# KiCad board ece499_project.kicad_pcb (continued)
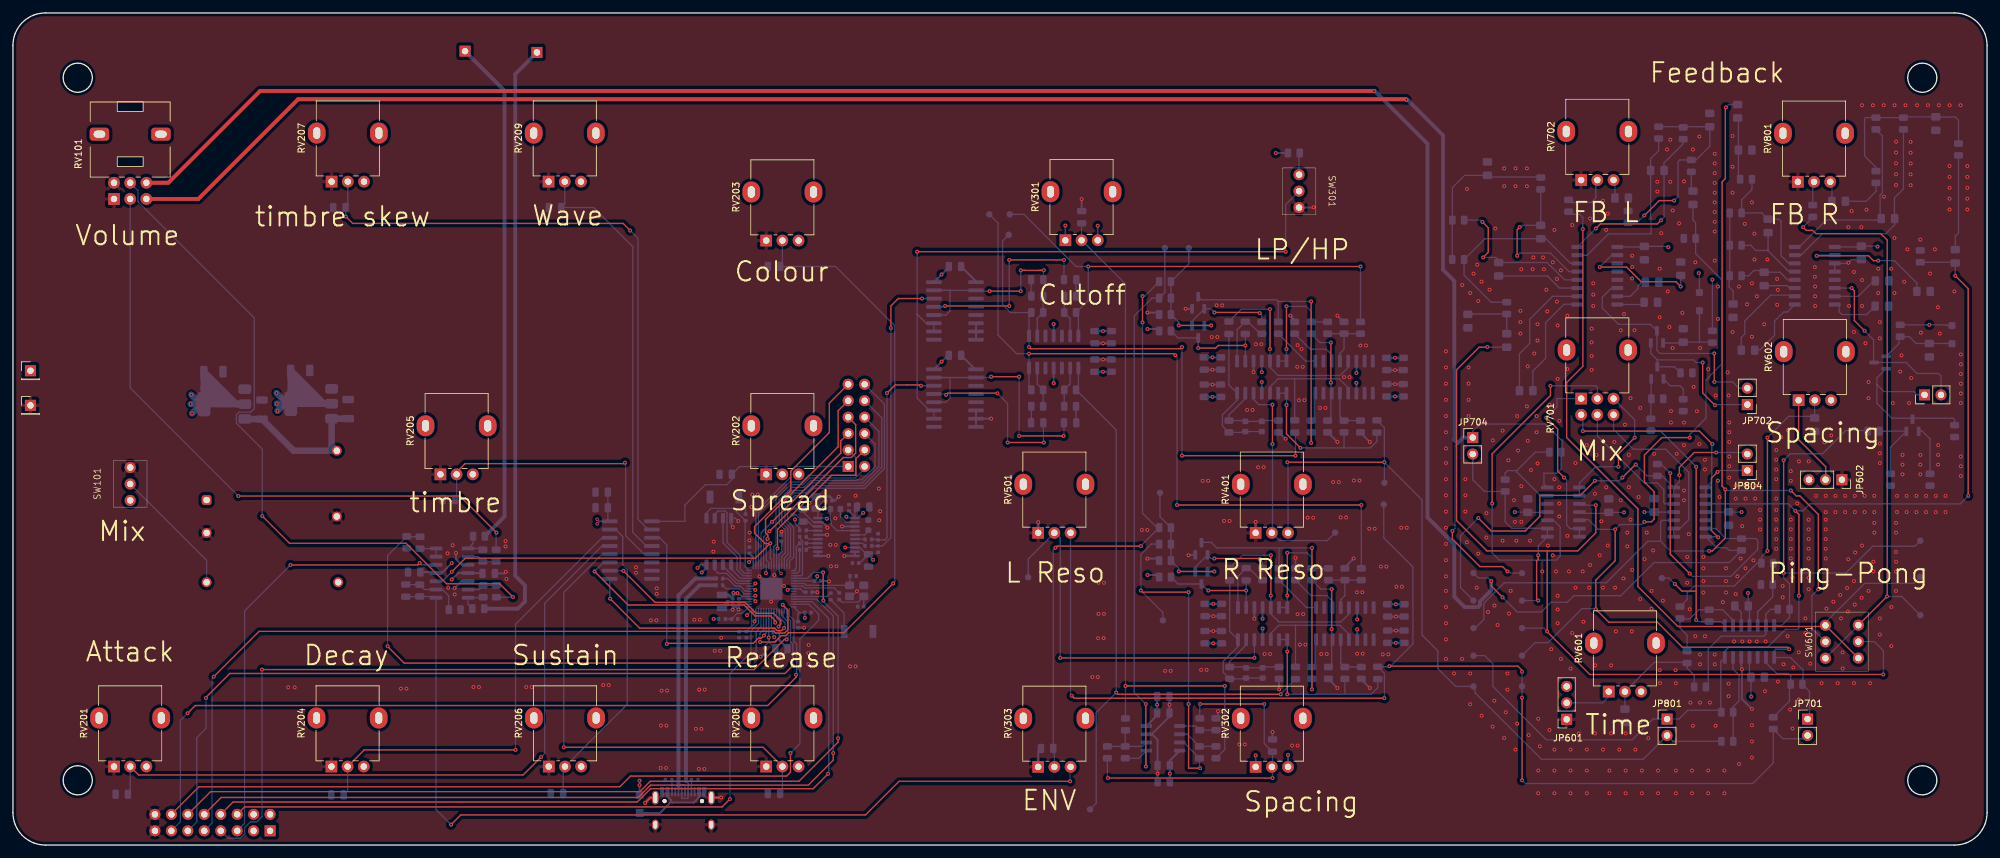
[diagram p0: board, top side]
## Placement (name value [footprint] x y rotation side) (continued)
U302  TL074  [SOIC-14_3.9x8.7mm_P1.27mm]  160.69 76.14 270 bottom
U303  CD4053BM96  [SOIC-16W_5.3x10.2mm_P1.27mm]  145.45 82.49 180 bottom
U304  CD4053BM96  [SOIC-16W_5.3x10.2mm_P1.27mm]  145.45 69.02 180 bottom
U401  LM13700MX/NOPB-CN  [SOIC-16_3.9x9.9mm_P1.27mm]  205.52 72.26 270 bottom
U402  TL074  [SOIC-14_3.9x8.7mm_P1.27mm]  192.82 72.26 270 bottom
U501  LM13700MX/NOPB-CN  [SOIC-16_3.9x9.9mm_P1.27mm]  205.65 34.2 270 bottom
U502  TL074  [SOIC-14_3.9x8.7mm_P1.27mm]  192.95 34.2 270 bottom
U605  TL074  [SOIC-14_3.9x8.7mm_P1.27mm]  268.12 31.44 270 bottom
U701  TL074  [SOIC-14_3.9x8.7mm_P1.27mm]  239.39 51.42 180 bottom
U706  PT2399  [SOP-16_4.4x10.4mm_P1.27mm]  244.63 87.92 180 bottom
U801  TL074  [SOIC-14_3.9x8.7mm_P1.27mm]  258.89 51.42 0 bottom
U806  PT2399  [SOP-16_4.4x10.4mm_P1.27mm]  278.21 87.92 180 bottom
Y103  ABM8-272-T3  [Crystal_SMD_Abracon_ABM8G-4Pin_3.2x2.5mm]  130.27 39.26 0 bottom

## Library data of the parts
C101-C135 C201-C211 C301-C317 C404 C405 C407-C412 C504 C505 C507-C512 C601-C604 C701-C717 C801-C817 = -: Description: Unpolarized capacitor; ki_fp_filters: C_*
C401-C403 C406 C501-C503 C506 = -: ki_fp_filters: C_*
D101 = -: Description: Schottky diode; ki_fp_filters: TO-???* *_Diode_* *SingleDiode* D_*
D401 D402 D501 D502 = -: Description: Light emitting diode; Sim.Pins: 1=K 2=A; ki_fp_filters: LED* LED_SMD:* LED_THT:*
D701 D801 = -: Datasheet: https://www.smc-diodes.com/propdf/DSS12U%20THRU%20DSS125U%20N1873%20REV.A.pdf; Description: 50V 1A General Purpose Rectifier Diode, DO-41; Sim.Device: D; Sim.Pins: 1=K 2=A; ki_fp_filters: D*DO?41*
J101 = -: Datasheet: https://www.usb.org/sites/default/files/documents/usb_type-c.zip; Description: USB 2.0-only 14P Type-C Receptacle connector; ki_fp_filters: USB*C*Receptacle*
J102 = -: Description: Generic connector, double row, 02x08, odd/even pin numbering scheme (row 1 odd numbers, row 2 even numbers), script generated (kicad-library-utils/schlib/autogen/connector/); ki_fp_filters: Connector*:*_2x??_*
J103 = -: Description: Generic connector, double row, 02x06, odd/even pin numbering scheme (row 1 odd numbers, row 2 even numbers), script generated (kicad-library-utils/schlib/autogen/connector/); ki_fp_filters: Connector*:*_2x??_*
JP601 JP602 = -: Description: Jumper, 3-pole, pins 1+2 closed/bridged; ki_fp_filters: Jumper* TestPoint*3Pads* TestPoint*Bridge*
JP701 JP702 JP704 JP801 JP802 JP804 = -: Description: Jumper, 2-pole, open; ki_fp_filters: Jumper* TestPoint*2Pads* TestPoint*Bridge*
L101 = -: Description: Inductor; ki_fp_filters: Choke_* *Coil* Inductor_* L_*
Q401 Q402 Q501 Q502 = -: ki_fp_filters: TO?92*
Q701 Q801 = -: Datasheet: https://www.onsemi.com/pub/Collateral/2N3903-D.PDF; Description: 0.2A Ic, 40V Vce, Small Signal NPN Transistor, TO-92; ki_fp_filters: TO?92*
Q702 Q802 = -: Datasheet: https://www.onsemi.com/pdf/datasheet/pzt3904-d.pdf; Description: 0.2A Ic, 40V Vce, Small Signal NPN Transistor, SOT-23; ki_fp_filters: SOT?23*
R101-R124 R301-R316 R401-R417 R501-R517 = -: Description: Resistor, US symbol; ki_fp_filters: R_*
R601-R607 R701-R719 R801-R819 = -: Description: Resistor; ki_fp_filters: R_*
RV101 RV701 = -: Description: Dual potentiometer, separate units; ki_fp_filters: Potentiometer*
RV201-RV209 RV301-RV303 RV401 RV501 = -: Description: Potentiometer, US symbol; ki_fp_filters: Potentiometer*
RV601 RV602 RV702 RV801 = -: Description: Potentiometer; ki_fp_filters: Potentiometer*
SW101 SW301 = -: Description: Switch, single pole double throw
SW102 SW103 = -: Description: Push button switch, generic, two pins
SW601 = -: Datasheet: https://app.adam-tech.com/products/download/data_sheet/203450/sw-t3-4b-a-a3-s2-data-sheet.pdf; Description: Momentary Switch, dual pole double throw
TP1-TP12 TP101-TP104 = -: Description: test point (alternative shape); ki_fp_filters: Pin* Test*
TP603 TP604 TP701-TP703 TP706 TP708 TP713 TP801-TP803 TP806 TP808 TP813 = -: Description: test point; ki_fp_filters: Pin* Test*
U102 = -: Datasheet: https://www.winbond.com/resource-files/w25q128jv_dtr%20revc%2003272018%20plus.pdf; Description: 128Mbit / 16MiB Serial Flash Memory, Standard/Dual/Quad SPI, 2.7-3.6V, SOIC-8; ki_fp_filters: *SOIC*5.3x5.3mm*P1.27mm*
U104 = -: Datasheet: http://www.advanced-monolithic.com/pdf/ds1117.pdf; Description: 1A Low Dropout regulator, positive, 3.3V fixed output, SOT-223; ki_fp_filters: SOT?223*TabPin2*
U105 U302 U402 U502 U605 U701 U801 = -: Datasheet: http://www.ti.com/lit/ds/symlink/tl071.pdf; Description: Quad Low-Noise JFET-Input Operational Amplifiers, DIP-14/SOIC-14; ki_fp_filters: SOIC*3.9x8.7mm*P1.27mm* DIP*W7.62mm* TSSOP*4.4x5mm*P0.65mm* SSOP*5.3x6.2mm*P0.65mm* MSOP*3x3mm*P0.5mm*
U106 = -: Datasheet: http://www.advanced-monolithic.com/pdf/ds1117.pdf; Description: 1A Low Dropout regulator, positive, 5.0V fixed output, SOT-223; ki_fp_filters: SOT?223*TabPin2*
U109 = -: Datasheet: https://www.ti.com/lit/ds/symlink/pcm5100a.pdf; Description: 2.1 VRMS, 100dB Audio Stereo DAC with PLL and 32-bit, 384kHz PCM Interface, TSSOP-20; ki_fp_filters: TSSOP*4.4x6.5mm*P0.65mm*
U201 = -: Datasheet: http://www.ti.com/lit/ds/symlink/cd4052b.pdf; Description: CMOS single 8-channel analog multiplexer demultiplexer, TSSOP-16/DIP-16/SOIC-16; ki_fp_filters: TSSOP*4.4x5mm*P0.65mm* DIP*W7.62* SOIC*3.9x9.9mm*P1.27mm* SO*5.3x10.2mm*P1.27mm*
U301 = -: Datasheet: http://www.ti.com/lit/ds/symlink/tl071.pdf; Description: Dual Low-Noise JFET-Input Operational Amplifiers, DIP-8/SOIC-8; ki_fp_filters: SOIC*3.9x4.9mm*P1.27mm* DIP*W7.62mm* TO*99* OnSemi*Micro8* TSSOP*3x3mm*P0.65mm* TSSOP*4.4x3mm*P0.65mm* MSOP*3x3mm*P0.65mm* SSOP*3.9x4.9mm*P0.635mm* LFCSP*2x2mm*P0.5mm* *SIP* SOIC*5.3x6.2mm*P1.27mm*
U303 U304 = -: Datasheet: http://www.ti.com/lit/ds/symlink/cd4052b.pdf; Description: CMOS triple 2-channel analog multiplexer/demultiplexer, TSSOP-16/DIP-16/SOIC-16; ki_fp_filters: TSSOP*4.4x5mm*P0.65mm* DIP*W7.62* SOIC*3.9x9.9mm*P1.27mm* SO*5.3x10.2mm*P1.27mm*
U401 U501 = -: Datasheet: http://www.ti.com/lit/ds/symlink/lm13700.pdf; Description: Dual Operational Transconductance Amplifiers with Linearizing Diodes and Buffers, DIP-16/SOIC-16; ki_fp_filters: SOIC*3.9x9.9mm*P1.27mm* DIP*W7.62mm*
U706 U806 = -: Datasheet: http://www.princeton.com.tw/Portals/0/Product/PT2399_1.pdf; Description: Echo Processor IC, DIP-16; ki_fp_filters: DIP*W7.62mm*
Y103 = -: Description: Four pin crystal, GND on pins 2 and 4; ki_fp_filters: Crystal*

## Footprints (pads in the part's own frame, mm; a bottom-side part is the same pattern mirrored in y, then rotated)
C_0402_1005Metric
  rrect 0.56x0.62 smd: 1(-0.48,0) 2(0.48,0)
C_0603_1608Metric
  rrect 0.9x0.95 smd: 1(-0.775,0) 2(0.775,0)
C_0805_2012Metric
  rrect 1x1.45 smd: 1(-0.95,0) 2(0.95,0)
C_0805_2012Metric_Pad1.18x1.45mm_HandSolder
  rrect 1.175x1.45 smd: 1(-1.038,0) 2(1.038,0)
C_1206_3216Metric
  rrect 1.15x1.8 smd: 1(-1.475,0) 2(1.475,0)
Converter_DCDC_RECOM_REC10K-AW_THT
  rrect 1.5x1.5 hole 1: 1(0,-12.7)
  round 1.5 hole 1: 2(0,-7.62) 3(0,0) 4(20.32,0) 5(20.1,-10.16) 6(20.1,-20.32)
Crystal_SMD_Abracon_ABM8G-4Pin_3.2x2.5mm
  rrect 1.4x1.2 smd: 1(-1.1,-0.85) 2(1.1,-0.85) 3(1.1,0.85) 4(-1.1,0.85)
D_SOD-123F
  rrect 1.1x1.1 smd: 1(-1.4,0) 2(1.4,0)
L_0806_2016Metric_Polarity_Indicator
  rrect 1x1.6 smd: 1(0,0) 2(2,0)
LED_0603_1608Metric
  rrect 0.875x0.95 smd: 1(-0.787,0) 2(0.787,0)
Nexperia_CFP3_SOD-123W
  rect 1.2x1.2 smd: 1(-1.4,0) 2(1.4,0)
PinHeader_1x01_P2.54mm_Vertical
  rect 1.7x1.7 hole 1: 1(0,0)
PinHeader_1x02_P2.54mm_Vertical
  rect 1.7x1.7 hole 1: 1(0,0)
  round 1.7 hole 1: 2(0,-2.54)
PinHeader_2x06_P2.54mm_Vertical
  rect 1.7x1.7 hole 1: 1(0,0)
  round 1.7 hole 1: 2(2.54,0) 3(0,-2.54) 4(2.54,-2.54) 5(0,-5.08) 6(2.54,-5.08) 7(0,-7.62) 8(2.54,-7.62) 9(0,-10.16) 10(2.54,-10.16) 11(0,-12.7) 12(2.54,-12.7)
PinHeader_2x08_P2.54mm_Vertical
  rect 1.7x1.7 hole 1: 1(0,0)
  round 1.7 hole 1: 2(2.54,0) 3(0,-2.54) 4(2.54,-2.54) 5(0,-5.08) 6(2.54,-5.08) 7(0,-7.62) 8(2.54,-7.62) 9(0,-10.16) 10(2.54,-10.16) 11(0,-12.7) 12(2.54,-12.7) 13(0,-15.24) 14(2.54,-15.24) 15(0,-17.78) 16(2.54,-17.78)
PinSocket_1x03_P2.54mm_Vertical
  rect 1.7x1.7 hole 1: 1(0,0)
  round 1.7 hole 1: 2(0,-2.54) 3(0,-5.08)
Potentiometer_Alpha_RD901F-40-00D_Single_Vertical
  oval 3.24x2.72 hole 1.8x1.1: (7.5,2.3) (7.5,-7.3)
  rect 1.8x1.8 hole 1: 1(0,0)
  round 1.8 hole 1: 2(0,-2.5) 3(0,-5)
Potentiometer_Alpha_RD902F-40-00D_Dual_Vertical
  oval 3.24x2.72 hole 1.8x1.1: (7.5,2.25) (7.5,-7.25)
  rect 1.8x1.8 hole 1: 1(0,0)
  round 1.8 hole 1: 2(0,-2.5) 3(0,-5) 4(-2.5,0) 5(-2.5,-2.5) 6(-2.5,-5)
Potentiometer_Alps_RK09L_Double_Vertical
  rect 1.8x1.8 hole 1: 1(0,0)
  round 1.8 hole 1: 2(0,-2.5) 3(0,-5) 4(2.5,0) 5(2.5,-2.5) 6(2.5,-5)
  rrect 2x3 hole 1.1x1.8: MP(10,2.25) MP(10,-7.25)
R_0402_1005Metric
  rrect 0.54x0.64 smd: 1(-0.51,0) 2(0.51,0)
R_0805_2012Metric
  rrect 1.025x1.4 smd: 1(-0.912,0) 2(0.912,0)
RP2350A_QFN60
  rect 0.1x0.1 smd: (-1.275,-0.425) (-1.275,0.425) (-1.275,-1.275) (-1.275,1.275) (-0.425,-1.275) (-0.425,-0.425) (-0.425,0.425) (-0.425,1.275) (0.425,-1.275) (0.425,-0.425) (0.425,0.425) (0.425,1.275) (1.275,-1.275) (1.275,1.275) (1.275,-0.425) (1.275,0.425)
  rect 0.875x0.2 smd: 1(-3.438,2.8) 2(-3.438,2.4) 3(-3.438,2) 4(-3.438,1.6) 5(-3.438,1.2) 6(-3.438,0.8) 7(-3.438,0.4) 8(-3.438,0) 9(-3.438,-0.4) 10(-3.438,-0.8) 11(-3.438,-1.2) 12(-3.438,-1.6) 13(-3.438,-2) 14(-3.438,-2.4) 15(-3.438,-2.8) 31(3.438,-2.8) 32(3.438,-2.4) 33(3.438,-2) 34(3.438,-1.6) 35(3.438,-1.2) 36(3.438,-0.8) 37(3.438,-0.4) 38(3.438,0) 39(3.438,0.4) 40(3.438,0.8) 41(3.438,1.2) 42(3.438,1.6) 43(3.438,2) 44(3.438,2.4) 45(3.438,2.8)
  rect 0.2x0.875 smd: 16(-2.8,-3.438) 17(-2.4,-3.438) 18(-2,-3.438) 19(-1.6,-3.438) 20(-1.2,-3.438) 21(-0.8,-3.438) 22(-0.4,-3.438) 23(0,-3.438) 24(0.4,-3.438) 25(0.8,-3.438) 26(1.2,-3.438) 27(1.6,-3.438) 28(2,-3.438) 29(2.4,-3.438) 30(2.8,-3.438) 46(2.8,3.438) 47(2.4,3.438) 48(2,3.438) 49(1.6,3.438) 50(1.2,3.438) 51(0.8,3.438) 52(0.4,3.438) 53(0,3.438) 54(-0.4,3.438) 55(-0.8,3.438) 56(-1.2,3.438) 57(-1.6,3.438) 58(-2,3.438) 59(-2.4,3.438) 60(-2.8,3.438)
  rect 3.4x3.4 smd: 61(0,0)
SO-8_3.9x4.9mm_P1.27mm
  rrect 1.75x0.6 smd: 1(-2.575,1.905) 2(-2.575,0.635) 3(-2.575,-0.635) 4(-2.575,-1.905) 5(2.575,-1.905) 6(2.575,-0.635) 7(2.575,0.635) 8(2.575,1.905)
SOIC-8_5.3x5.3mm_P1.27mm
  rrect 1.625x0.65 smd: 1(-3.587,1.905) 2(-3.587,0.635) 3(-3.587,-0.635) 4(-3.587,-1.905) 5(3.587,-1.905) 6(3.587,-0.635) 7(3.587,0.635) 8(3.587,1.905)
SOIC-14_3.9x8.7mm_P1.27mm
  rrect 1.95x0.6 smd: 1(-2.475,3.81) 2(-2.475,2.54) 3(-2.475,1.27) 4(-2.475,0) 5(-2.475,-1.27) 6(-2.475,-2.54) 7(-2.475,-3.81) 8(2.475,-3.81) 9(2.475,-2.54) 10(2.475,-1.27) 11(2.475,0) 12(2.475,1.27) 13(2.475,2.54) 14(2.475,3.81)
SOIC-16_3.9x9.9mm_P1.27mm
  rrect 1.95x0.6 smd: 1(-2.475,4.445) 2(-2.475,3.175) 3(-2.475,1.905) 4(-2.475,0.635) 5(-2.475,-0.635) 6(-2.475,-1.905) 7(-2.475,-3.175) 8(-2.475,-4.445) 9(2.475,-4.445) 10(2.475,-3.175) 11(2.475,-1.905) 12(2.475,-0.635) 13(2.475,0.635) 14(2.475,1.905) 15(2.475,3.175) 16(2.475,4.445)
SOIC-16W_5.3x10.2mm_P1.27mm
  rrect 2.4x0.6 smd: 1(-3.25,4.445) 2(-3.25,3.175) 3(-3.25,1.905) 4(-3.25,0.635) 5(-3.25,-0.635) 6(-3.25,-1.905) 7(-3.25,-3.175) 8(-3.25,-4.445) 9(3.25,-4.445) 10(3.25,-3.175) 11(3.25,-1.905) 12(3.25,-0.635) 13(3.25,0.635) 14(3.25,1.905) 15(3.25,3.175) 16(3.25,4.445)
SOP-16_4.4x10.4mm_P1.27mm
  rrect 1.825x0.65 smd: 1(-3.087,4.445) 2(-3.087,3.175) 3(-3.087,1.905) 4(-3.087,0.635) 5(-3.087,-0.635) 6(-3.087,-1.905) 7(-3.087,-3.175) 8(-3.087,-4.445) 9(3.087,-4.445) 10(3.087,-3.175) 11(3.087,-1.905) 12(3.087,-0.635) 13(3.087,0.635) 14(3.087,1.905) 15(3.087,3.175) 16(3.087,4.445)
SOT-23
  rrect 1.475x0.6 smd: 1(-0.938,0.95) 2(-0.938,-0.95) 3(0.938,0)
SOT-223-3_TabPin2
  rrect 2x1.5 smd: 1(-3.15,2.3) 2(-3.15,0) 3(-3.15,-2.3)
  rrect 2x3.8 smd: 2(3.15,0)
SW_DPDT_Toggle_2.54mm
  round 1.7 hole 1: 1(-0.03,0) 2(2.51,0) 3(5.05,0) 4(0,-5.08) 5(2.54,-5.08) 6(5.08,-5.08)
SW_SPDT_Toggle_2.54mm
  round 1.7 hole 1: 1(-0.03,0) 2(2.51,0) 3(5.05,0)
SW_SPST_XunPu_TS-1088
  rect 1.05x2 smd: 1(0,0) 2(4.45,0)
TestPoint_Pad_D1.0mm
  round 1 smd: 1(0,0)
TSSOP-20_4.4x6.5mm_P0.65mm
  rrect 1.475x0.4 smd: 1(-2.862,2.925) 2(-2.862,2.275) 3(-2.862,1.625) 4(-2.862,0.975) 5(-2.862,0.325) 6(-2.862,-0.325) 7(-2.862,-0.975) 8(-2.862,-1.625) 9(-2.862,-2.275) 10(-2.862,-2.925) 11(2.862,-2.925) 12(2.862,-2.275) 13(2.862,-1.625) 14(2.862,-0.975) 15(2.862,-0.325) 16(2.862,0.325) 17(2.862,0.975) 18(2.862,1.625) 19(2.862,2.275) 20(2.862,2.925)
USB_C_Receptacle_HRO_TYPE-C-31-M-12
  round 0.65 hole 0.65 unplated: (-2.89,2.6) (2.89,2.6)
  rect 0.6x1.45 smd: A1(-3.25,4.045) A4(-2.45,4.045) A9(2.45,4.045) A12(3.25,4.045) B1(3.25,4.045) B4(2.45,4.045) B9(-2.45,4.045) B12(-3.25,4.045)
  rect 0.3x1.45 smd: A5(-1.25,4.045) A6(-0.25,4.045) A7(0.25,4.045) A8(1.25,4.045) B5(1.75,4.045) B6(0.75,4.045) B7(-0.75,4.045) B8(-1.75,4.045)
  oval 1x1.6 hole 0.6x1.2: S1(-4.32,-1.05) S1(4.32,-1.05)
  oval 1x2.1 hole 0.6x1.7: S1(-4.32,3.13) S1(4.32,3.13)

## Nets
+1V1: C109.1 C111.1 C113.1 C116.1 L101.1 U107.6 U107.23 U107.39 U107.50
+3V3: C103.1 C107.1 C108.1 C117.1 C118.1 C119.1 C120.1 C121.1 C122.1 C123.1 C124.1 C125.1 C126.1 C127.1 C128.1 C131.1 C201.1 C202.1 C312.1 C313.1 J102.1 J102.3 R105.1 R112.2 R308.1 RV201.3 RV202.3 RV203.3 RV204.3 RV205.3 RV206.3 RV207.3 RV208.3 RV209.3 U102.8 U104.2 U107.1 U107.11 U107.20 U107.30 U107.38 U107.44 U107.45 U107.49 U107.53 U107.54 U109.1 U109.8 U109.20 U201.16 U303.16 U304.16
+5V: C115.1 C706.1 C806.1 D701.1 D801.1 J102.2 J102.4 R712.1 R812.1 U106.2 U706.1 U806.1
+12V: C101.1 C106.1 C110.1 C301.1 C306.1 C308.1 C310.1 C404.1 C407.1 C409.1 C411.1 C504.1 C507.1 C509.1 C511.1 C603.2 C701.1 C801.1 JP601.3 JP602.3 RV301.1 RV302.1 U103.6 U104.3 U105.4 U106.3 U301.8 U302.4 U401.11 U402.4 U501.11 U502.4 U605.4 U701.11 U801.11
-12V: C102.2 C302.2 C307.2 C309.2 C311.2 C405.2 C408.2 C410.2 C412.2 C505.2 C508.2 C510.2 C512.2 C604.1 C703.1 C803.1 R409.2 R509.2 RV301.3 RV302.3 RV601.3 RV602.3 U103.4 U105.11 U301.4 U302.11 U401.6 U402.11 U501.6 U502.11 U605.11 U701.4 U801.4
GND: C101.2 C102.1 C103.2 C104.2 C105.2 C106.2 C107.2 C108.2 C109.2 C110.2 C111.2 C113.2 C114.2 C115.2 C116.2 C117.2 C118.2 C119.2 C120.2 C121.2 C122.2 C123.2 C124.2 C125.2 C126.2 C127.2 C128.2 C130.2 C131.2 C132.2 C133.2 C134.2 C135.2 C201.2 C202.2 C203.2 C204.2 C205.2 C206.2 C207.2 C208.2 C209.2 C210.2 C211.2 C301.2 C302.1 C303.2 C304.2 C305.2 C306.2 C307.1 C308.2 C309.1 C310.2 C311.1 C312.2 C313.2 C404.2 C405.1 C407.2 C408.1 C409.2 C410.1 C411.2 C412.1 C504.2 C505.1 C507.2 C508.1 C509.2 C510.1 C511.2 C512.1 C601.1 C602.1 C603.1 C604.2 C701.2 C703.2 C704.1 C706.2 C707.2 C708.1 C710.2 C713.1 C715.1 C717.1 C801.2 C803.2 C804.1 C806.2 C807.2 C808.1 C810.2 C813.1 C815.1 C817.1 J101.A1 J101.A12 J101.B1 J101.B12 J101.S1 J102.15 J102.16 JP601.1 JP602.1 Q402.2 Q502.2 R101.2 R102.2 R104.2 R124.1 R305.2 R402.2 R403.2 R406.2 R411.1 R414.1 R415.1 R502.2 R503.2 R506.2 R511.1 R514.1 R515.1 R605.2 R701.1 R708.2 R709.1 R711.1 R801.1 R808.2 R809.1 R811.1 RV101.1 RV101.4 RV201.1 RV202.1 RV203.1 RV204.1 RV205.1 RV206.1 RV207.1 RV208.1 RV209.1 RV303.1 RV401.1 RV501.1 RV702.1 RV801.1 SW101.3 SW102.1 SW103.1 SW301.3 TP102.1 U102.4 U103.2 U103.5 U104.1 U105.3 U105.5 U106.1 U107.47 U107.61 U109.3 U109.9 U109.10 U109.11 U109.12 U109.16 U109.19 U201.6 U201.7 U201.8 U301.3 U302.3 U302.5 U302.10 U302.12 U303.1 U303.6 U303.7 U303.8 U304.1 U304.6 U304.7 U304.8 U402.3 U502.3 U605.3 U605.10 U605.12 U701.12 U706.3 U706.4 U801.12 U806.3 U806.4 Y103.2 Y103.4
VBUS: D101.2 J101.A4 J101.A9 J101.B4 J101.B9
VCC: D101.1 TP101.1 U103.1
/GPIO0: J103.1 U107.2
/GPIO1: J103.3 U107.3
/GPIO2: J103.5 U107.4
/GPIO3: J103.7 U107.5
/GPIO4: J103.9 U107.7
/GPIO5: J103.11 U105.10 U107.8
/GPIO6: J103.2 U107.9
/GPIO7: J103.4 U107.10
/GPIO8: J103.6 U107.12
/GPIO9: J103.8 U107.13
/GPIO10: J103.10 U107.14
/GPIO11: J103.12 U107.15
/GPIO15: J102.12 U107.19
/GPIO16: J102.10 U107.27
/GPIO17: J102.8 U107.28
/GPIO18: J102.14 U107.29
/GPIO19: J102.13 U107.31
/GPIO20: J102.11 U107.32
/GPIO21: J102.9 U107.33
/GPIO22: J102.7 U107.34
/GPIO23: U107.35 U201.9
/GPIO24: U107.36 U201.10
/GPIO25: U107.37 U201.11
/GPIO26_ADC0: U107.40 U201.3
/GPIO27_ADC1: C205.1 RV203.2 U107.41
/GPIO28_ADC2: R123.1 R124.2 U107.42
/GPIO29_ADC3: J102.6 U107.43
/I2S_BCK: R114.2 U107.17
/I2S_DIN: R111.2 U107.16
/I2S_LRCK: R113.2 U107.18
/LINE_OUT_L: R119.2 TP103.1
/LINE_OUT_R: R120.2 TP104.1
/MCU Panel Controls/attack_pot: C203.1 RV201.2 U201.13
/MCU Panel Controls/decay_pot: C206.1 RV204.2 U201.14
/MCU Panel Controls/release_pot: C210.1 RV208.2 U201.12
/MCU Panel Controls/spread_pot: C204.1 RV202.2 U201.1
/MCU Panel Controls/sustain_pot: C208.1 RV206.2 U201.15
/MCU Panel Controls/timbre_offset_pot: C207.1 RV205.2 U201.5
/MCU Panel Controls/timbre_skew_pot: C209.1 RV207.2 U201.2
/MCU Panel Controls/wave_pot: C211.1 RV209.2 U201.4
/MCU_AUDIO_L: C134.1 R121.1 U304.14
/MCU_AUDIO_R: C135.1 R122.1 U303.14
/MS-20 Filter/cutoff: C303.1 R301.2 R303.2 RV301.2
/MS-20 Filter/cutoff_L: R307.1 R505.1 TP1.1 U301.7
/MS-20 Filter/cutoff_R: R306.1 R405.1 TP2.1 U301.1
/MS-20 Filter/env: C305.1 R404.1 R504.1 RV303.2
/MS-20 Filter/env_cutoff: C112.2 R106.2 RV303.3 U105.8
/MS-20 Filter/HPLP Filter L/HP_in: C503.2 R315.2 TP5.1 U302.8
/MS-20 Filter/HPLP Filter L/LP_in: R316.2 R501.1 TP6.1 U302.14
/MS-20 Filter/HPLP Filter R/HP_in: C403.2 R313.2 TP3.1 U302.1
/MS-20 Filter/HPLP Filter R/LP_in: R314.2 R401.1 TP4.1 U302.7
/MS-20 Filter/spacing: C304.1 R302.2 R304.2 RV302.2
/MS-20 Filter/switch: SW301.2 U303.10 U303.11 U304.10 U304.11
/QSPI_SCLK: U102.6 U107.56
/QSPI_SD0: U102.5 U107.57
/QSPI_SD1: U102.2 U107.59
/QSPI_SD2: U102.3 U107.58
/QSPI_SD3: U102.7 U107.55
/QSPI_SS: R107.2 U102.1 U107.60
/RUN: R108.2 U107.26
/stereo_delay/Left delay control: R606.1 R707.1 TP708.1 U605.1
/stereo_delay/Left delay output: JP704.1 R719.1 RV101.3 TP713.1 U701.14
/stereo_delay/left_delay/anti-latchup: JP702.1 Q701.3 Q702.2 R711.2
/stereo_delay/left_delay/delay-feedback-in: C704.2 R702.2 R705.1 R706.1 R710.1
/stereo_delay/left_delay/delay-feedback-out : C716.1 SW601.5 TP701.1 U701.3
/stereo_delay/left_delay/delay-mono-input: C506.2 JP701.2 R703.2 RV501.3 TP11.1 TP703.1
/stereo_delay/left_delay/dry-input: C702.2 JP701.1 R701.2 R704.1 TP702.1 U605.8 U701.5
/stereo_delay/left_delay/fb-sw-in: R713.2 SW601.3 SW601.4 TP603.1
/stereo_delay/left_delay/LFP2-IN: C714.1 R715.2 U706.13
/stereo_delay/left_delay/LPF1-IN: C705.2 R706.2 U706.16
/stereo_delay/left_delay/LPF1-OUT: C705.1 R705.2 U706.15
/stereo_delay/left_delay/LPF2-OUT: C714.2 R716.2 R718.2 U706.14
/stereo_delay/left_delay/mixed-delay: JP704.2 R717.2 TP706.1 U701.8 U701.9
/stereo_delay/left_delay/OP1-IN: C711.2 U706.10
/stereo_delay/left_delay/OP1-OUT: C711.1 U706.9
/stereo_delay/left_delay/OP2-IN: C712.1 U706.11
/stereo_delay/left_delay/OP2-OUT: C712.2 R714.1 U706.12
/stereo_delay/left_delay/vco control: JP702.2 Q702.3 U706.6
/stereo_delay/Right delay control: R607.1 R807.1 TP808.1 U605.7
/stereo_delay/Right delay output: JP804.1 R819.1 RV101.6 TP813.1 U801.14
/stereo_delay/right_delay/anti-latchup: JP802.1 Q801.3 Q802.2 R811.2
/stereo_delay/right_delay/delay-feedback-in: C804.2 R802.2 R805.1 R806.1 R810.1
/stereo_delay/right_delay/delay-feedback-out : C816.1 SW601.2 TP801.1 U801.3
/stereo_delay/right_delay/delay-mono-input: C406.2 JP801.2 R803.2 RV401.3 TP12.1 TP803.1
/stereo_delay/right_delay/dry-input: C802.2 JP801.1 R801.2 R804.1 TP802.1 U605.14 U801.10
/stereo_delay/right_delay/fb-sw-in: R813.2 SW601.1 SW601.6 TP604.1
/stereo_delay/right_delay/LFP2-IN: C814.1 R815.2 U806.13
/stereo_delay/right_delay/LPF1-IN: C805.2 R806.2 U806.16
/stereo_delay/right_delay/LPF1-OUT: C805.1 R805.2 U806.15
/stereo_delay/right_delay/LPF2-OUT: C814.2 R816.2 R818.2 U806.14
/stereo_delay/right_delay/mixed-delay: JP804.2 R817.2 TP806.1 U801.6 U801.7
/stereo_delay/right_delay/OP1-IN: C811.2 U806.10
/stereo_delay/right_delay/OP1-OUT: C811.1 U806.9
/stereo_delay/right_delay/OP2-IN: C812.1 U806.11
/stereo_delay/right_delay/OP2-OUT: C812.2 R814.1 U806.12
/stereo_delay/right_delay/vco control: JP802.2 Q802.3 U806.6
/SWC: U107.24
/SWD: U107.25
/USB_D+: J101.A6 J101.B6 R109.1
/USB_D-: J101.A7 J101.B7 R110.1
/VREG_AVDD: C114.1 R105.2 U107.46
/VREG_LX: L101.2 U107.48
/XIN: C104.1 U107.21 Y103.1
/XOUT: R103.2 U107.22
/~{USB_BOOT}: R107.1 SW102.2
Net-(C105-Pad1): C105.1 R103.1 Y103.3
Net-(C314-Pad2): C314.2 R309.1
Net-(C315-Pad2): C315.2 R310.1
Net-(C316-Pad2): C316.2 R311.1
Net-(C317-Pad2): C317.2 R312.1
Net-(C402-Pad1): C402.1 R413.2 U402.1
Net-(C502-Pad1): C502.1 R513.2 U502.1
Net-(C601-Pad2): C601.2 R601.2 R604.2 RV601.2
Net-(C602-Pad2): C602.2 R602.2 R603.2 RV602.2
Net-(C702-Pad1): C702.1 R702.1
Net-(C709-Pad1): C709.1 R710.2
Net-(C709-Pad2): C709.2 RV702.3
Net-(C713-Pad2): C713.2 R714.2 R715.1 R716.1
Net-(C715-Pad2): C715.2 C716.2 R718.1
Net-(C802-Pad1): C802.1 R802.1
Net-(C809-Pad1): C809.1 R810.2
Net-(C809-Pad2): C809.2 RV801.3
Net-(C813-Pad2): C813.2 R814.2 R815.1 R816.1
Net-(C815-Pad2): C815.2 C816.2 R818.1
Net-(D401-A): D401.2 D402.1 R410.1 R411.2 U402.13
Net-(D401-K): C401.2 D401.1 D402.2 R410.2 U402.14
Net-(D501-A): D501.2 D502.1 R510.1 R511.2 U502.13
Net-(D501-K): C501.2 D501.1 D502.2 R510.2 U502.14
Net-(D701-A): C708.2 D701.2 Q702.1 R712.2
Net-(D801-A): C808.2 D801.2 Q802.1 R812.2
Net-(J101-CC1): J101.A5 R101.1
Net-(J101-CC2): J101.B5 R102.1
Net-(J102-Pin_5): J102.5 U105.12
Net-(JP601-C): JP601.2 RV601.1
Net-(JP602-C): JP602.2 RV602.1
Net-(Q401-B): Q401.2 R404.2 R405.2 R406.1 TP9.1
Net-(Q401-C): C402.2 Q401.3 R409.1 U402.2
Net-(Q401-E): Q401.1 Q402.1 R413.1
Net-(Q402-C): Q402.3 R407.1 R416.2
Net-(Q501-B): Q501.2 R504.2 R505.2 R506.1 TP10.1
Net-(Q501-C): C502.2 Q501.3 R509.1 U502.2
Net-(Q501-E): Q501.1 Q502.1 R513.1
Net-(Q502-C): Q502.3 R507.1 R516.2
Net-(Q701-B): Q701.2 R707.2 R708.1
Net-(Q701-E): Q701.1 R709.2
Net-(Q801-B): Q801.2 R807.2 R808.1
Net-(Q801-E): Q801.1 R809.2
Net-(R108-Pad1): R108.1 SW103.2
Net-(R115-Pad1): R115.1 RV101.2
Net-(R116-Pad1): R116.1 RV101.5
Net-(R117-Pad2): R117.2 R119.1 U105.1
Net-(R118-Pad2): R118.2 R120.1 U105.7
Net-(R407-Pad2): R407.2 U401.1
Net-(R416-Pad1): R416.1 U401.16
Net-(R507-Pad2): R507.2 U501.1
Net-(R516-Pad1): R516.1 U501.16
Net-(R713-Pad1): R713.1 RV702.2
Net-(R813-Pad1): R813.1 RV801.2
Net-(SW101-B): SW101.2 U103.3
Net-(SW301-A): R308.2 SW301.1
Net-(U105A--): R115.2 R117.1 U105.2
Net-(U105B--): R116.2 R118.1 U105.6
Net-(U105C--): C112.1 R104.1 R106.1 U105.9
Net-(U105D--): R123.2 U105.13 U105.14
Net-(U107-USB_DM): R110.2 U107.51
Net-(U107-USB_DP): R109.2 U107.52
Net-(U109-BCK): R114.1 U109.13
Net-(U109-CAPM): C129.2 U109.4
Net-(U109-CAPP): C129.1 U109.2
Net-(U109-DIN): R111.1 U109.14
Net-(U109-LDOO): C132.1 C133.1 U109.18
Net-(U109-LRCK): R113.1 U109.15
Net-(U109-OUTL): R121.2 U109.6
Net-(U109-OUTR): R122.2 U109.7
Net-(U109-VNEG): C130.1 U109.5
Net-(U109-XSMT): R112.1 U109.17
Net-(U301A--): R301.1 R302.1 R306.2 U301.2
Net-(U301B-+): R304.1 R305.1 U301.5
Net-(U301B--): R303.1 R307.2 U301.6
Net-(U302A--): R309.2 R313.1 U302.2
Net-(U302B--): R310.2 R314.1 U302.6
Net-(U302C--): R311.2 R315.1 U302.9
Net-(U302D--): R312.2 R316.1 U302.13
Net-(U303-A0): C314.1 U303.2 U303.12 U303.15
Net-(U303-A1): C315.1 U303.13
Net-(U304-A0): C316.1 U304.2 U304.12 U304.15
Net-(U304-A1): C317.1 U304.13
Net-(U401A-+): R412.2 R415.2 U401.14
Net-(U401A--): R414.2 R417.2 U401.13
Net-(U401C-+): R403.1 U401.3
Net-(U401C--): R401.2 R402.1 R408.2 U401.4
Net-(U402B-+): C401.1 U401.5 U402.5
Net-(U402B--): R408.1 R412.1 U402.6 U402.7
Net-(U402C-+): C403.1 U401.12 U402.10
Net-(U402C--): C406.1 R417.1 U402.8 U402.9
Net-(U402D-+): RV401.2 TP7.1 U402.12
Net-(U501A-+): R512.2 R515.2 U501.14
Net-(U501A--): R514.2 R517.2 U501.13
Net-(U501C-+): R503.1 U501.3
Net-(U501C--): R501.2 R502.1 R508.2 U501.4
Net-(U502B-+): C501.1 U501.5 U502.5
Net-(U502B--): R508.1 R512.1 U502.6 U502.7
Net-(U502C-+): C503.1 U501.12 U502.10
Net-(U502C--): C506.1 R517.1 U502.8 U502.9
Net-(U502D-+): RV501.2 TP8.1 U502.12
Net-(U605A--): R601.1 R602.1 R606.2 U605.2
Net-(U605B-+): R603.1 R605.1 U605.5
Net-(U605B--): R604.1 R607.2 U605.6
Net-(U605C--): R703.1 R704.2 U605.9
Net-(U605D--): R803.1 R804.2 U605.13
Net-(U701A--): RV701.3 U701.1 U701.2
Net-(U701B--): RV701.1 U701.6 U701.7
Net-(U701C-+): RV701.2 U701.10
Net-(U701D--): R717.1 R719.2 U701.13
Net-(U706-CC0): C710.1 U706.8
Net-(U706-CC1): C707.1 U706.7
Net-(U706-REF): C717.2 U706.2
Net-(U801A--): RV701.6 U801.1 U801.2
Net-(U801B-+): RV701.5 U801.5
Net-(U801C--): RV701.4 U801.8 U801.9
Net-(U801D--): R817.1 R819.2 U801.13
Net-(U806-CC0): C810.1 U806.8
Net-(U806-CC1): C807.1 U806.7
Net-(U806-REF): C817.2 U806.2

Pads without a net: J101 A8 B8; RV101 MP; SW101 1; U303 3 4 5 9; U304 3 4 5 9; U401 2 7 8 9 10 15; U501 2 7 8 9 10 15; U706 5; U806 5

## Via types
v1: diameter 0.6, hole 0.3, Top to Bottom, 1041 vias
v2: diameter 0.5, hole 0.3, Top to Bottom, 3 vias

## Routing (per net, layer and track width the routed paths; a pad name or vN(x,y) marks a point on that pad's centre or on a via; arc(x,y) is an arc through that point)
+1V1: length 37.9
  In3.Cu w0.6: v1(116.26,41.99) 116.26,39.2 ; 116.26,39.2 115.55,38.5 ; 116.26,39.2 116.41,39.05 119.27,39.05 v1(119.61,39.39) ; 115.55,38.5 v1(114.63,38.5) 112.28,38.5 v1(111.87,38.91) 111.28,38.91 v1(111.24,38.95) ; 115.55,38.5 115.55,34.28 116.75,33.08 116.75,32.1 v1(116.7,32.05)
  Bottom w0.2: 116.7,31.35 116.1,30.75 C113.1 ; 116.7,31.35 v1(116.7,32.05) U107.39 ; 116.7,31.35 C111.1 ; v1(114.63,38.5) 114.51,38.39 U107.50 112.56,38.39 112.31,38.64 111.71,38.64 111.68,38.67 111.46,38.67 ; v1(111.24,38.95) 111.13,38.84 C109.1 111.13,38.34 111.7,38.91 v1(111.87,38.91) ; v1(119.61,39.39) 119.81,39.59 U107.23 121.56,39.59 122.05,39.1 122,39.05 C116.1 ; v1(116.26,41.99) 116.3,42.04 U107.6
  Bottom w0.4: L101.1 110.56,38.63 C109.1
+3V3: length 688.9
  In2.Cu w0.3: v1(143.38,74.65) 143.27,74.75 143.27,88.01 v1(143.38,88.11) 176.22,88.11 v1(194.98,106.87)
  In2.Cu w0.4: J102.1 J102.3 35.91,3.45 35.91,12.21 35.95,12.25 ; 35.95,12.25 35.95,54.5 27.65,62.8 v1(27.65,66.65) ; 35.95,12.25 35.7,12.25 35.58,12.12 RV201.3
  In2.Cu w1: 109.95,94.95 96.66,94.95 89.17,102.45 RV209.3 80,94.75 66.5,94.75 ; 109.95,94.95 119.7,94.95 RV203.3 ; 109.95,94.95 121.3,83.6 ; v1(27.65,66.65) 27.45,66.85 v1(27.45,68.1) 27.55,68.2 v1(27.55,69.55) 29,69.55 54.2,94.75 ; 54.2,94.75 RV207.3 ; 54.2,94.75 66.5,94.75 ; v1(143.38,88.11) 125.81,88.11 121.3,83.6 ; 121.3,83.6 RV202.3 ; 66.5,94.75 66.5,61.75 RV205.3
  In3.Cu w1: 83.65,36 87.73,31.92 RV206.3 ; 83.65,36 46.25,36 ; 83.65,36 107.1,36 ; 46.25,36 54.17,28.08 RV204.3 ; 46.25,36 39.5,42.75 39.5,51.4 27.65,63.25 v1(27.65,66.65) ; 107.1,36 121.3,21.8 RV208.3 ; 107.1,36 v1(108.19,34.91)
  Bottom w0.2: U107.44 114.7,34.61 114.64,34.55 v1(114.5,34.55) 114.5,34.23 114.05,33.78 ; 121.43,35.9 U107.30 ; 121.43,35.9 C120.1 v1(122.27,35.08) ; 121.43,35.9 121.2,35.67 C103.1 ; v1(131.28,51.3) 130.47,50.5 U109.1 ; 118.3,42.5 118.3,44.9 118.7,45.3 118.7,46.82 C117.1 ; v1(128.5,45.95) U109.8 130.74,45.95 131.79,44.9 C128.1 ; C128.1 130.75,43.55 C131.1 ; C128.1 132.1,44.75 v1(132.8,44.05) ; R112.2 121.47,48.98 121.3,49.15 121.26,49.15 120.95,49.46 120.95,49.5 120.74,49.71 v1(120.74,50.27) ; 114.05,33.78 114.05,35.9 U107.45 114,36.15 v1(113.34,35.49) ; 114.05,33.78 C122.1 112.14,32.98 C124.1 ; U109.1 128.88,50.5 v1(128.68,50.7) ; U109.1 130,51.87 C127.1 ; U109.1 130,50.67 C126.1 ; U107.11 118.3,42.25 v2(118.6,41.95) ; v1(124.18,41.52) 124.18,41.21 C119.1 121.28,40.79 121.28,40.79 U107.20 ; U201.16 90.59,49.99 v2(90.2,49.6) ; U201.16 90.5,49.99 v2(90.2,50.3) ; U201.16 91.85,50.29 C202.1 C201.1 ; C125.1 125.22,53.2 C123.1 ; C125.1 125.13,51.95 v1(125.18,52) ; C125.1 124.28,51.65 124.28,50.5 125.57,50.5 v1(125.68,50.4) ; v1(117.55,32.1) 117.48,32.1 117.37,32.21 C121.1 117.37,33.4 117.1,33.67 U107.38 ; v1(114.63,40.38) 114.24,39.99 U107.54 ; R105.1 v1(108.19,34.91) ; U107.53 114.43,39.59 v1(114.62,39.4) ; U107.1 114.3,44.35 v1(113.65,43.7) ; v1(114.64,37.66) 114.31,37.99 U107.49 112.14,37.99 C108.1
  Bottom w0.3: 142.2,86.93 v1(143.38,88.11) 144.5,89.23 C312.1 ; R308.1 v1(194.98,106.87) ; v1(105.7,42.8) 106.2,43.3 U102.8 107.08,42.83 v1(106.35,42.1) ; U304.16 144.36,75.63 C313.1 ; 114.25,44.35 114.25,44.5 C118.1
  Bottom w1: U104.2 29,68.1 v1(27.55,69.55) ; U104.2 31.7,68.1 ; U104.2 29.1,68.1 v1(27.65,66.65) ; U104.2 v1(27.45,68.1) ; U104.2 29.47,68.13 29.47,70.7 ; 31.7,68.1 29.47,70.33 29.47,70.7 ; 31.7,68.1 33,68.1 ; 33,68.1 U104.2 34.47,68.1 C107.1 ; 33,68.1 33,68.25 29.47,71.78 C107.1 ; 32.2,68.4 29.9,70.7 29.47,70.7 ; C107.1 29.47,70.7
